# KiCad board Smart LED WS2812B Ring7.kicad_pcb (continued)
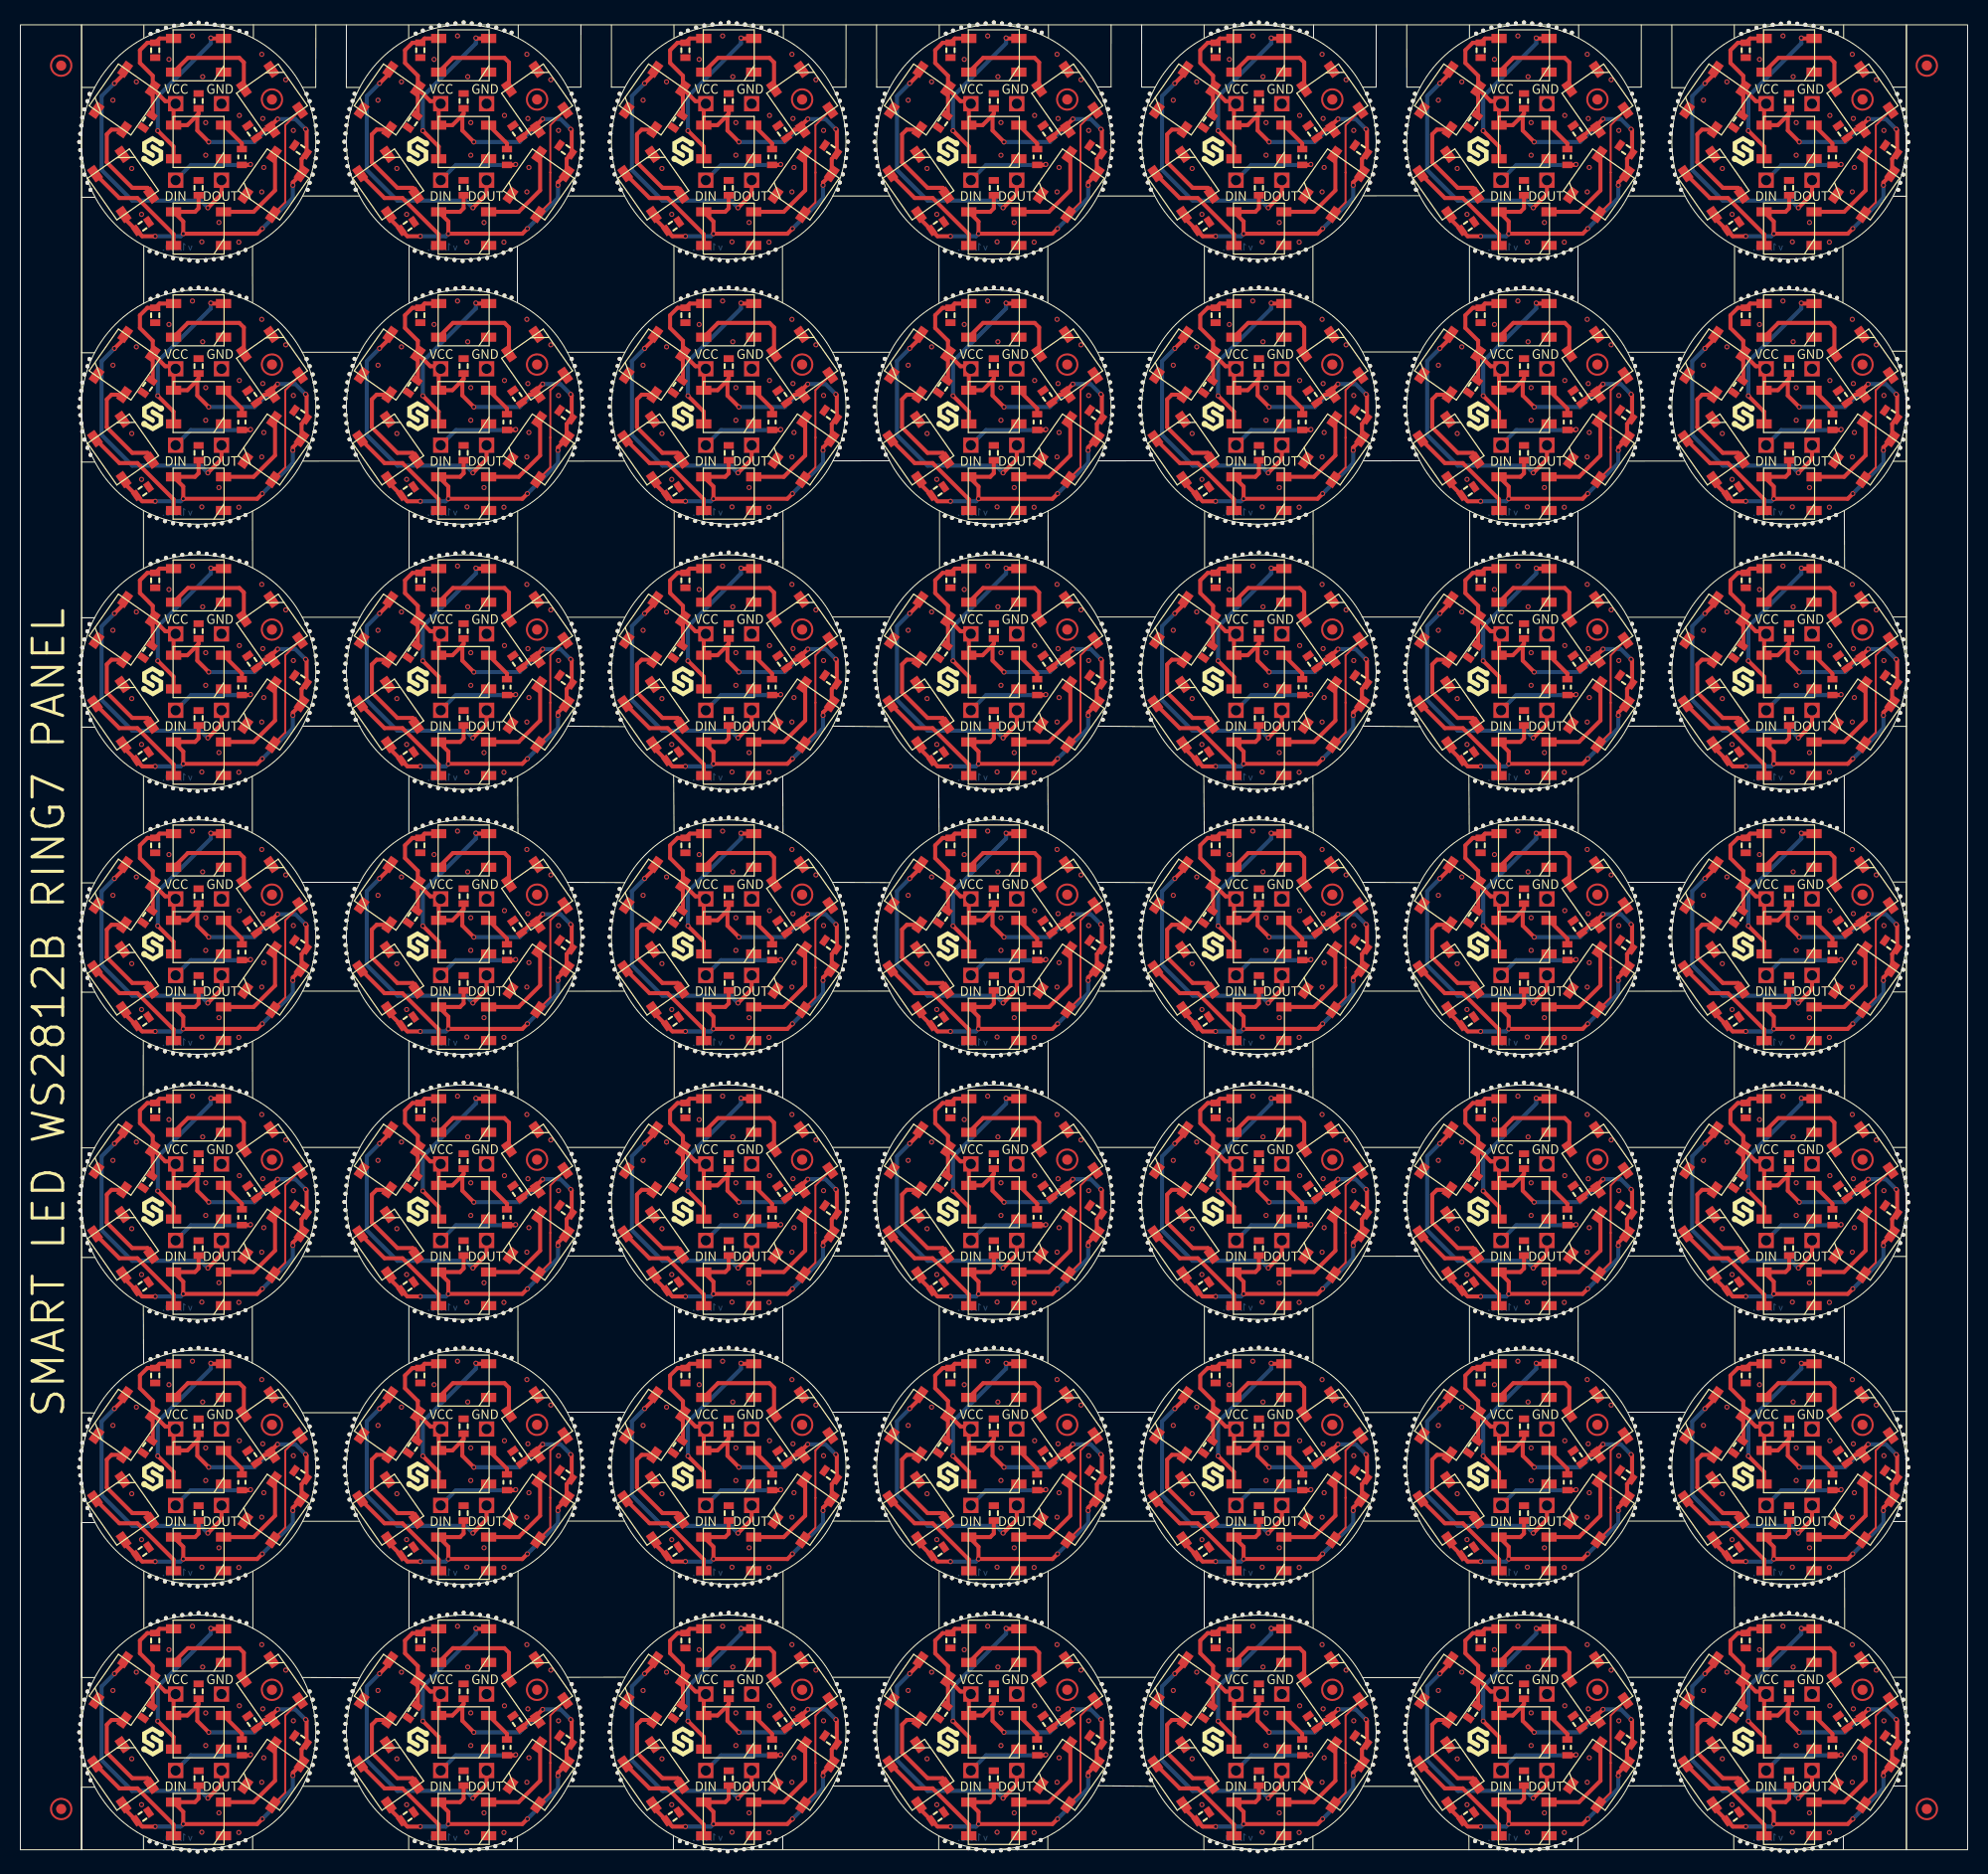
[diagram p0: board, top side]
## Routing (per net, layer and track width the routed paths; a pad name or vN(x,y) marks a point on that pad's centre or on a via; arc(x,y) is an arc through that point) (continued)
  Top w0.4: LED7#35.1 64.98,66.22 C7#45.1 ; LED7#35.1 64.98,70.03 63.72,71.28 63.72,72.53 64.46,73.26 C2#22.1 65.65,73.69 LED2#16.1 ; LED7#35.1 66.21,67.53 67.22,67.53 67.03,67.33 LED1#2.1 68.38,65.19 69.35,66.16 ; LED2#5.1 169.65,151.69 C2#3.1 168.46,151.26 167.72,150.53 167.72,149.28 168.98,148.03 LED7#7.1 ; C1#47.1 69.47,118.28 69.35,118.16 ; v1(65.22,28.28) 63.96,28.28 C6#48.1 62.13,30.11 LED6#34.1 ; v1(65.22,132.28) 63.96,132.28 C6#20.1 62.13,134.11 LED6#45.1 ; 147.35,144.16 147.47,144.28 C1#16.1 ; 147.35,144.16 146.38,143.19 LED1#49.1 145.03,145.33 145.22,145.53 144.21,145.53 LED7#30.1 ; 147.35,144.16 147.35,142.66 v1(148.47,141.53) ; LED2#2.1 117.65,125.69 C2#29.1 116.46,125.26 115.72,124.53 115.72,123.28 116.98,122.03 LED7#37.1 ; LED6#48.1 36.13,4.11 C6#4.1 37.96,2.28 v1(39.22,2.28) ; LED6#41.1 140.13,56.11 C6#40.1 141.96,54.28 v1(143.22,54.28) ; LED7#21.1 142.98,14.22 C7#11.1 ; LED7#21.1 142.98,18.03 141.72,19.28 141.72,20.53 142.46,21.26 C2#10.1 143.65,21.69 LED2#9.1 ; LED7#21.1 144.21,15.53 145.22,15.53 145.03,15.33 LED1#17.1 146.38,13.19 147.35,14.16 ; C1#27.1 95.47,14.28 95.35,14.16 ; v1(122.47,89.53) 121.35,90.66 121.35,92.16 ; v1(26.72,7.28) 26.72,7.57 LED4#46.1 27.58,9.88 C4#18.1 28.07,12.69 v1(27.97,12.78) ; LED6#23.1 114.13,82.11 C6#13.1 115.96,80.28 v1(117.22,80.28) ; LED7#20.1 116.98,96.03 115.72,97.28 115.72,98.53 116.46,99.26 C2#15.1 117.65,99.69 LED2#8.1 ; LED7#20.1 118.21,93.53 119.22,93.53 119.03,93.33 LED1#22.1 120.38,91.19 121.35,92.16 ; LED7#20.1 116.98,92.22 C7#17.1 ; v1(143.22,2.28) 141.96,2.28 C6#17.1 140.13,4.11 LED6#39.1 ; v1(148.47,63.53) 147.35,64.66 147.35,66.16 ; C1#7.1 147.47,14.28 147.35,14.16 ; LED2#44.1 39.64,21.69 C2#18.1 38.45,21.26 37.72,20.53 37.72,19.28 38.98,18.03 LED7#22.1 ; LED7#39.1 66.21,145.53 67.22,145.53 67.03,145.33 LED1#42.1 68.38,143.19 69.35,144.16 ; LED7#39.1 64.98,144.22 C7#28.1 ; LED7#39.1 64.98,148.03 63.72,149.28 63.72,150.53 64.46,151.26 C2#14.1 65.65,151.69 LED2#20.1 ; LED7#9.1 90.98,70.03 89.72,71.28 89.72,72.53 90.46,73.26 C2#43.1 91.65,73.69 LED2#28.1 ; LED7#9.1 92.21,67.53 93.22,67.53 93.03,67.33 LED1#20.1 94.38,65.19 95.35,66.16 ; LED7#9.1 90.98,66.22 C7#36.1 ; v1(77.22,39.78) 76.73,39.29 LED3#44.1 75.96,38.75 C3#6.1 ; 95.35,92.16 95.47,92.28 C1#13.1 ; 95.35,92.16 94.38,91.19 LED1#16.1 93.03,93.33 93.22,93.53 92.21,93.53 LED7#27.1 ; 95.35,92.16 95.35,90.66 v1(96.47,89.53) ; LED2#26.1 65.65,177.69 C2#24.1 64.46,177.26 63.72,176.53 63.72,175.28 64.98,174.03 LED7#32.1 ; C1#43.1 43.47,40.28 43.35,40.16 ; v1(13.22,158.28) 11.96,158.28 C6#30.1 10.13,160.11 LED6#43.1 ; LED7#16.1 38.98,122.03 37.72,123.28 37.72,124.53 38.45,125.26 C2#27.1 39.64,125.69 LED2#32.1 ; LED7#16.1 40.21,119.53 41.22,119.53 41.03,119.33 LED1#38.1 42.38,117.19 43.35,118.16 ; LED7#16.1 38.98,118.22 C7#40.1 ; v1(18.47,89.53) 17.35,90.66 17.35,92.16 ; 173.35,14.16 173.35,12.66 v1(174.47,11.53) ; 173.35,14.16 172.38,13.19 LED1#15.1 171.03,15.33 171.22,15.53 170.21,15.53 LED7#18.1 ; 173.35,14.16 173.47,14.28 C1#20.1 ; 17.35,118.16 16.38,117.19 LED1#33.1 15.03,119.33 15.22,119.53 14.21,119.53 LED7#6.1 ; 17.35,118.16 17.35,116.66 v1(18.47,115.53) ; 17.35,118.16 17.47,118.28 C1#41.1 ; v1(127.72,29.03) 127.22,28.53 v1(119.97,28.53) 119.97,29.73 LED5#8.1 121.12,30.69 121.47,31.03 C5#27.1 ; v1(77.22,91.78) 76.73,91.29 LED3#40.1 75.96,90.75 C3#13.1 ; LED2#48.1 143.65,125.69 C2#28.1 142.46,125.26 141.72,124.53 141.72,123.28 142.98,122.03 LED7#14.1 ; v1(39.22,158.28) 37.96,158.28 C6#34.1 36.13,160.11 LED6#38.1 ; C3#7.1 179.96,90.75 LED3#8.1 180.73,91.29 v1(181.22,91.78) ; 43.35,40.16 43.35,38.66 v1(44.47,37.53) ; 43.35,40.16 42.38,39.19 LED1#46.1 41.03,41.33 41.22,41.53 40.21,41.53 LED7#46.1 ; C1#49.1 147.47,170.28 147.35,170.16 ; v1(103.22,39.78) 102.73,39.29 LED3#17.1 101.96,38.75 C3#14.1 ; v1(117.22,2.28) 115.96,2.28 C6#49.1 114.13,4.11 LED6#37.1 ; C5#28.1 147.47,57.03 147.12,56.69 LED5#44.1 145.97,55.73 v1(145.97,54.53) 153.22,54.53 v1(153.72,55.03) ; LED7#7.1 168.98,144.22 C7#41.1 ; LED7#7.1 170.21,145.53 171.22,145.53 171.03,145.33 LED1#35.1 172.38,143.19 173.35,144.16 ; 147.35,118.16 147.35,116.66 v1(148.47,115.53) ; 147.35,118.16 147.47,118.28 C1#11.1 ; 147.35,118.16 146.38,117.19 LED1#18.1 145.03,119.33 145.22,119.53 144.21,119.53 LED7#14.1 ; C3#34.1 101.96,90.75 LED3#27.1 102.73,91.29 v1(103.22,91.78) ; 43.35,118.16 43.35,116.66 v1(44.47,115.53) ; 43.35,118.16 43.47,118.28 C1#34.1 ; v1(91.22,80.28) 89.96,80.28 C6#47.1 88.13,82.11 LED6#18.1 ; C5#13.1 43.47,31.03 43.12,30.69 LED5#23.1 41.97,29.73 v1(41.97,28.53) 49.22,28.53 v1(49.72,29.03) ; v1(49.72,3.03) 49.22,2.53 v1(41.97,2.53) 41.97,3.74 41.03,4.69 43.12,4.69 43.47,5.03 C5#44.1 ; 69.35,14.16 69.47,14.28 C1#28.1 ; 69.35,14.16 68.38,13.19 LED1#28.1 67.03,15.33 67.22,15.53 66.21,15.53 LED7#13.1 ; 69.35,14.16 69.35,12.66 v1(70.47,11.53) ; C7#13.1 142.98,92.22 LED7#28.1 ; C5#21.1 95.47,31.03 95.12,30.69 LED5#42.1 93.97,29.73 v1(93.97,28.53) 101.22,28.53 v1(101.72,29.03) ; v1(101.72,55.03) 101.22,54.53 v1(93.97,54.53) 93.97,55.73 LED5#21.1 95.12,56.69 95.47,57.03 C5#16.1 ; v1(130.72,111.28) 130.72,111.57 LED4#8.1 131.58,113.88 C4#39.1 132.07,116.69 v1(131.97,116.78) ; C1#30.1 121.47,66.28 121.35,66.16 ; LED2#6.1 169.65,21.69 C2#17.1 168.46,21.26 167.72,20.53 167.72,19.28 168.98,18.03 LED7#18.1 ; 69.35,144.16 69.47,144.28 C1#26.1 ; 69.35,144.16 69.35,142.66 v1(70.47,141.53) ; LED2#17.1 169.65,177.69 C2#39.1 168.46,177.26 167.72,176.53 167.72,175.28 168.98,174.03 LED7#49.1 ; C7#37.1 168.98,66.22 LED7#34.1 ; v1(44.47,141.53) 43.35,142.66 43.35,144.16 ; v1(53.97,12.78) 54.07,12.69 C4#25.1 53.58,9.88 LED4#25.1 52.72,7.57 v1(52.72,7.28) ; v1(104.72,137.28) 104.72,137.57 LED4#37.1 105.58,139.88 C4#31.1 106.07,142.69 v1(105.97,142.78) ; C7#26.1 38.98,92.22 LED7#45.1 ; v1(174.47,37.53) 173.35,38.66 173.35,40.16 ; LED7#47.1 38.98,170.22 C7#48.1 ; LED7#47.1 40.21,171.53 41.22,171.53 41.03,171.33 LED1#48.1 42.38,169.19 43.35,170.16 ; LED7#47.1 38.98,174.03 37.72,175.28 37.72,176.53 38.45,177.26 C2#5.1 39.64,177.69 LED2#40.1 ; v1(70.47,115.53) 69.35,116.66 69.35,118.16 ; LED7#45.1 40.21,93.53 41.22,93.53 41.03,93.33 LED1#21.1 42.38,91.19 43.35,92.16 ; LED7#45.1 38.98,96.03 37.72,97.28 37.72,98.53 38.45,99.26 C2#45.1 39.64,99.69 LED2#37.1 ; v1(105.97,64.78) 106.07,64.69 C4#12.1 105.58,61.88 LED4#7.1 104.72,59.57 v1(104.72,59.28) ; v1(23.72,3.03) 23.22,2.53 v1(15.97,2.53) 15.97,3.74 15.03,4.69 17.12,4.69 17.47,5.03 C5#29.1 ; C7#18.1 142.98,40.22 LED7#12.1 ; v1(78.72,7.28) 78.72,7.57 LED4#27.1 79.58,9.88 C4#44.1 80.07,12.69 v1(79.97,12.78) ; LED7#26.1 64.98,92.22 C7#6.1 ; LED7#26.1 64.98,96.03 63.72,97.28 63.72,98.53 64.46,99.26 C2#40.1 65.65,99.69 LED2.1 ; LED7#26.1 66.21,93.53 67.22,93.53 67.03,93.33 LED1#36.1 68.38,91.19 69.35,92.16 ; LED7#31.1 64.98,122.03 63.72,123.28 63.72,124.53 64.46,125.26 C2#26.1 65.65,125.69 LED2#46.1 ; LED7#31.1 66.21,119.53 67.22,119.53 67.03,119.33 LED1#9.1 68.38,117.19 69.35,118.16 ; LED7#31.1 64.98,118.22 C7#19.1 ; 121.35,66.16 120.38,65.19 LED1#34.1 119.03,67.33 119.22,67.53 118.21,67.53 LED7#42.1 ; 121.35,66.16 121.35,64.66 v1(122.47,63.53) ; C3#11.1 23.96,38.75 LED3#29.1 24.73,39.29 v1(25.22,39.78) ; LED7#13.1 64.98,14.22 C7#15.1 ; LED7#13.1 64.98,18.03 63.72,19.28 63.72,20.53 64.46,21.26 C2#48.1 65.65,21.69 LED2#3.1 ; LED7#22.1 40.21,15.53 41.22,15.53 41.03,15.33 LED1#32.1 42.38,13.19 43.35,14.16 ; LED7#22.1 38.98,14.22 C7#9.1 ; v1(127.72,3.03) 127.22,2.53 v1(119.97,2.53) 119.97,3.74 119.03,4.69 121.12,4.69 121.47,5.03 C5#36.1 ; C7#12.1 116.98,144.22 LED7#23.1 ; LED7#5.1 90.98,18.03 89.72,19.28 89.72,20.53 90.46,21.26 C2#12.1 91.65,21.69 LED2#30.1 ; LED7#5.1 92.21,15.53 93.22,15.53 93.03,15.33 LED1#30.1 94.38,13.19 95.35,14.16 ; LED7#5.1 90.98,14.22 C7#47.1 ; v1(129.22,143.78) 128.73,143.29 LED3#4.1 127.96,142.75 C3#17.1 ; 121.35,118.16 120.38,117.19 LED1#24.1 119.03,119.33 119.22,119.53 118.21,119.53 LED7#37.1 ; 121.35,118.16 121.35,116.66 v1(122.47,115.53) ; 121.35,118.16 121.47,118.28 C1#37.1 ; v1(183.97,90.78) 184.07,90.69 C4#46.1 183.58,87.88 LED4#47.1 182.72,85.57 v1(182.72,85.28) ; 95.35,14.16 95.35,12.66 v1(96.47,11.53) ; v1(53.97,142.78) 54.07,142.69 C4#43.1 53.58,139.88 LED4#31.1 52.72,137.57 v1(52.72,137.28) ; C1#15.1 69.47,92.28 69.35,92.16 ; C7#4.1 38.98,40.22 LED7#46.1 ; v1(148.47,89.53) 147.35,90.66 147.35,92.16 ; 17.35,144.16 16.38,143.19 LED1#40.1 15.03,145.33 15.22,145.53 14.21,145.53 LED7#17.1 ; 17.35,144.16 17.47,144.28 C1#36.1 ; 17.35,144.16 17.35,142.66 v1(18.47,141.53) ; v1(179.72,133.03) 179.22,132.53 v1(171.97,132.53) 171.97,133.73 LED5.1 173.12,134.69 173.47,135.03 C5#11.1 ; LED7#24.1 168.98,92.22 C7.1 ; LED7#24.1 170.21,93.53 171.22,93.53 171.03,93.33 LED1#7.1 172.38,91.19 173.35,92.16 ; LED7#24.1 168.98,96.03 167.72,97.28 167.72,98.53 168.46,99.26 C2#44.1 169.65,99.69 LED2#49.1 ; v1(143.22,28.28) 141.96,28.28 C6#41.1 140.13,30.11 LED6#10.1 ; C5#46.1 173.47,5.03 173.12,4.69 171.03,4.69 171.97,3.74 v1(171.97,2.53) 179.22,2.53 v1(179.72,3.03) ; LED7#19.1 12.98,174.03 11.72,175.28 11.72,176.53 12.45,177.26 C2#25.1 13.64,177.69 LED2#15.1 ; LED7#19.1 12.98,170.22 C7#30.1 ; LED7#19.1 14.21,171.53 15.22,171.53 15.03,171.33 LED1#8.1 16.38,169.19 17.35,170.16 ; v1(130.72,59.28) 130.72,59.57 LED4#41.1 131.58,61.88 C4#28.1 132.07,64.69 v1(131.97,64.78) ; v1(51.22,143.78) 50.73,143.29 LED3#15.1 49.96,142.75 C3#35.1 ; v1(157.97,12.78) 158.07,12.69 C4#4.1 157.58,9.88 LED4#11.1 156.72,7.57 v1(156.72,7.28) ; LED7#27.1 90.98,92.22 C7#43.1 ; LED7#27.1 90.98,96.03 89.72,97.28 89.72,98.53 90.46,99.26 C2#33.1 91.65,99.69 LED2#31.1 ; C5#39.1 95.47,161.03 95.12,160.69 LED5#3.1 93.97,159.73 v1(93.97,158.53) 101.22,158.53 v1(101.72,159.03) ; 121.35,144.16 121.47,144.28 C1#9.1 ; 121.35,144.16 120.38,143.19 LED1#37.1 119.03,145.33 119.22,145.53 118.21,145.53 LED7#23.1 ; 121.35,144.16 121.35,142.66 v1(122.47,141.53) ; LED6#24.1 88.13,30.11 C6.1 89.96,28.28 v1(91.22,28.28) ; 17.35,170.16 17.47,170.28 C1#40.1 ; 17.35,170.16 17.35,168.66 v1(18.47,167.53) ; LED7#44.1 90.98,44.03 89.72,45.28 89.72,46.53 90.46,47.26 C2#19.1 91.65,47.69 LED2#14.1 ; LED7#44.1 92.21,41.53 93.22,41.53 93.03,41.33 LED1#14.1 94.38,39.19 95.35,40.16 ; LED7#44.1 90.98,40.22 C7#34.1 ; 147.35,14.16 147.35,12.66 v1(148.47,11.53) ; v1(70.47,63.53) 69.35,64.66 69.35,66.16 ; v1(44.47,167.53) 43.35,168.66 43.35,170.16 ; LED6#21.1 166.13,82.11 C6#21.1 167.96,80.28 v1(169.22,80.28) ; v1(79.97,64.78) 80.07,64.69 C4#45.1 79.58,61.88 LED4#43.1 78.72,59.57 v1(78.72,59.28) ; v1(174.47,63.53) 173.35,64.66 173.35,66.16 ; 17.35,66.16 16.38,65.19 LED1#45.1 15.03,67.33 15.22,67.53 14.21,67.53 LED7#38.1 ; 17.35,66.16 17.35,64.66 v1(18.47,63.53) ; 17.35,66.16 17.47,66.28 C1#35.1 ; C5#34.1 147.47,161.03 147.12,160.69 LED5#46.1 145.97,159.73 v1(145.97,158.53) 153.22,158.53 v1(153.72,159.03) ; v1(174.47,167.53) 173.35,168.66 173.35,170.16 ; C1#19.1 17.47,92.28 17.35,92.16 ; LED6#12.1 166.13,56.11 C6#43.1 167.96,54.28 v1(169.22,54.28) ; C7#49.1 168.98,118.22 LED7#11.1 ; LED7#37.1 116.98,118.22 C7#27.1 ; v1(131.97,12.78) 132.07,12.69 C4#47.1 131.58,9.88 LED4#35.1 130.72,7.57 v1(130.72,7.28) ; 173.35,170.16 173.47,170.28 C1#24.1 ; 173.35,170.16 172.38,169.19 LED1#4.1 171.03,171.33 171.22,171.53 170.21,171.53 LED7#49.1 ; LED7#46.1 38.98,44.03 37.72,45.28 37.72,46.53 38.45,47.26 C2#47.1 39.64,47.69 LED2#12.1 ; v1(129.22,65.78) 128.73,65.29 LED3#35.1 127.96,64.75 C3#36.1 ; 173.35,92.16 173.35,90.66 v1(174.47,89.53) ; 173.35,92.16 173.47,92.28 C1#12.1 ; LED7.1 118.21,171.53 119.22,171.53 119.03,171.33 LED1#43.1 120.38,169.19 121.35,170.16 ; LED7.1 116.98,174.03 115.72,175.28 115.72,176.53 116.46,177.26 C2#30.1 117.65,177.69 LED2#38.1 ; LED7.1 116.98,170.22 C7#39.1 ; LED7#28.1 144.21,93.53 145.22,93.53 145.03,93.33 LED1#19.1 146.38,91.19 147.35,92.16 ; LED7#28.1 142.98,96.03 141.72,97.28 141.72,98.53 142.46,99.26 C2#6.1 143.65,99.69 LED2#10.1 ; v1(78.72,111.28) 78.72,111.57 LED4#21.1 79.58,113.88 C4#16.1 80.07,116.69 v1(79.97,116.78) ; v1(27.97,64.78) 28.07,64.69 C4#15.1 27.58,61.88 LED4#2.1 26.72,59.57 v1(26.72,59.28) ; LED7#3.1 142.98,66.22 C7#42.1 ; LED7#3.1 142.98,70.03 141.72,71.28 141.72,72.53 142.46,73.26 C2#49.1 143.65,73.69 LED2#33.1 ; LED7#3.1 144.21,67.53 145.22,67.53 145.03,67.33 LED1#29.1 146.38,65.19 147.35,66.16 ; C1#33.1 147.47,40.28 147.35,40.16 ; LED6#42.1 140.13,160.11 C6#37.1 141.96,158.28 v1(143.22,158.28) ; C3#48.1 49.96,116.75 LED3#9.1 50.73,117.29 v1(51.22,117.78) ; C3#28.1 49.96,90.75 LED3.1 50.73,91.29 v1(51.22,91.78) ; LED2#11.1 13.64,125.69 C2#2.1 12.45,125.26 11.72,124.53 11.72,123.28 12.98,122.03 LED7#6.1 ; v1(27.97,116.78) 28.07,116.69 C4#7.1 27.58,113.88 LED4#10.1 26.72,111.57 v1(26.72,111.28) ; 95.35,144.16 94.38,143.19 LED1#23.1 93.03,145.33 93.22,145.53 92.21,145.53 LED7#8.1 ; 95.35,144.16 95.47,144.28 C1#48.1 ; 95.35,144.16 95.35,142.66 v1(96.47,141.53) ; 17.35,92.16 16.38,91.19 LED1#41.1 15.03,93.33 15.22,93.53 14.21,93.53 LED7#25.1 ; LED7#48.1 38.98,148.03 37.72,149.28 37.72,150.53 38.45,151.26 C2#11.1 39.64,151.69 LED2#27.1 ; LED7#48.1 40.21,145.53 41.22,145.53 41.03,145.33 LED1#27.1 42.38,143.19 43.35,144.16 ; LED7#48.1 38.98,144.22 C7#14.1 ; 173.35,118.16 173.35,116.66 v1(174.47,115.53) ; 173.35,118.16 173.47,118.28 C1#22.1 ; 173.35,118.16 172.38,117.19 LED1#12.1 171.03,119.33 171.22,119.53 170.21,119.53 LED7#11.1 ; v1(49.72,133.03) 49.22,132.53 v1(41.97,132.53) 41.97,133.73 LED5#34.1 43.12,134.69 43.47,135.03 C5#17.1 ; 121.35,40.16 120.38,39.19 LED1#11.1 119.03,41.33 119.22,41.53 118.21,41.53 LED7#43.1 ; 121.35,40.16 121.35,38.66 v1(122.47,37.53) ; 121.35,40.16 121.47,40.28 C1#32.1 ; 43.35,14.16 43.35,12.66 v1(44.47,11.53) ; 43.35,14.16 43.47,14.28 C1#31.1 ; C7#22.1 168.98,14.22 LED7#18.1 ; 69.35,66.16 69.47,66.28 C1#45.1 ; LED7#14.1 142.98,118.22 C7#25.1 ; v1(103.22,13.78) 102.73,13.29 LED3#21.1 101.96,12.75 C3#26.1 ; LED7#34.1 170.21,67.53 171.22,67.53 171.03,67.33 LED1#44.1 172.38,65.19 173.35,66.16 ; LED7#34.1 168.98,70.03 167.72,71.28 167.72,72.53 168.46,73.26 C2#35.1 169.65,73.69 LED2#18.1 ; LED7#29.1 92.21,119.53 93.22,119.53 93.03,119.33 LED1#25.1 94.38,117.19 95.35,118.16 ; LED7#29.1 90.98,118.22 C7#7.1 ; LED7#29.1 90.98,122.03 89.72,123.28 89.72,124.53 90.46,125.26 C2.1 91.65,125.69 LED2#47.1 ; v1(183.97,12.78) 184.07,12.69 C4#11.1 183.58,9.88 LED4#38.1 182.72,7.57 v1(182.72,7.28) ; v1(181.22,39.78) 180.73,39.29 LED3#30.1 179.96,38.75 C3#38.1 ; C5#12.1 147.47,135.03 147.12,134.69 LED5#29.1 145.97,133.73 v1(145.97,132.53) 153.22,132.53 v1(153.72,133.03) ; C7#38.1 38.98,66.22 LED7#41.1 ; v1(181.22,117.78) 180.73,117.29 LED3#14.1 179.96,116.75 C3#3.1 ; v1(25.22,143.78) 24.73,143.29 LED3#2.1 23.96,142.75 C3#49.1 ; C3#21.1 101.96,142.75 LED3#33.1 102.73,143.29 v1(103.22,143.78) ; 69.35,92.16 69.35,90.66 v1(70.47,89.53) ; v1(105.97,168.78) 106.07,168.69 C4#37.1 105.58,165.88 LED4#32.1 104.72,163.57 v1(104.72,163.28) ; 43.35,66.16 43.35,64.66 v1(44.47,63.53) ; 43.35,66.16 42.38,65.19 LED1#13.1 41.03,67.33 41.22,67.53 40.21,67.53 LED7#41.1 ; 43.35,66.16 43.47,66.28 C1#29.1 ; C5#24.1 173.47,161.03 173.12,160.69 LED5#38.1 171.97,159.73 v1(171.97,158.53) 179.22,158.53 v1(179.72,159.03) ; LED6#31.1 114.13,108.11 C6#25.1 115.96,106.28 v1(117.22,106.28) ; C3#2.1 179.96,142.75 LED3#19.1 180.73,143.29 v1(181.22,143.78) ; v1(157.97,38.78) 158.07,38.69 C4#6.1 157.58,35.88 LED4#6.1 156.72,33.57 v1(156.72,33.28) ; v1(183.97,116.78) 184.07,116.69 C4#21.1 183.58,113.88 LED4#14.1 182.72,111.57 v1(182.72,111.28) ; v1(143.22,106.28) 141.96,106.28 C6#10.1 140.13,108.11 LED6#11.1 ; LED7#17.1 12.98,148.03 11.72,149.28 11.72,150.53 12.45,151.26 C2#13.1 13.64,151.69 LED2#25.1 ; LED7#17.1 12.98,144.22 C7#29.1 ; 95.35,170.16 95.35,168.66 v1(96.47,167.53) ; 95.35,170.16 94.38,169.19 LED1#39.1 93.03,171.33 93.22,171.53 92.21,171.53 LED7#4.1 ; 95.35,170.16 95.47,170.28 C1#38.1 ; LED6#33.1 62.13,4.11 C6#29.1 63.96,2.28 v1(65.22,2.28) ; LED7#12.1 144.21,41.53 145.22,41.53 145.03,41.33 LED1#3.1 146.38,39.19 147.35,40.16 ; LED7#12.1 142.98,44.03 141.72,45.28 141.72,46.53 142.46,47.26 C2#21.1 143.65,47.69 LED2#13.1 ; v1(169.22,28.28) 167.96,28.28 C6#8.1 166.13,30.11 LED6#17.1 ; v1(143.22,80.28) 141.96,80.28 C6#23.1 140.13,82.11 LED6#8.1 ; LED7#30.1 142.98,148.03 141.72,149.28 141.72,150.53 142.46,151.26 C2#8.1 143.65,151.69 LED2#35.1 ; LED7#30.1 142.98,144.22 C7#20.1 ; LED7#42.1 116.98,66.22 C7#3.1 ; LED7#42.1 116.98,70.03 115.72,71.28 115.72,72.53 116.46,73.26 C2#36.1 117.65,73.69 LED2#34.1 ; C7#2.1 12.98,66.22 LED7#38.1 ; v1(130.72,85.28) 130.72,85.57 LED4#5.1 131.58,87.88 C4#19.1 132.07,90.69 v1(131.97,90.78) ; v1(156.72,163.28) 156.72,163.57 LED4#40.1 157.58,165.88 C4#33.1 158.07,168.69 v1(157.97,168.78) ; C3#40.1 153.96,116.75 LED3#24.1 154.73,117.29 v1(155.22,117.78) ; C1.1 121.47,170.28 121.35,170.16 ; v1(169.22,2.28) 167.96,2.28 C6#33.1 166.13,4.11 LED6.1 ; v1(18.47,11.53) 17.35,12.66 17.35,14.16 ; 43.35,144.16 43.47,144.28 C1#4.1 ; v1(91.22,132.28) 89.96,132.28 C6#9.1 88.13,134.11 LED6#47.1 ; v1(75.72,159.03) 75.22,158.53 v1(67.97,158.53) 67.97,159.73 LED5#13.1 69.12,160.69 69.47,161.03 C5#47.1 ; C5#9.1 69.47,109.03 69.12,108.69 LED5#43.1 67.97,107.73 v1(67.97,106.53) 75.22,106.53 v1(75.72,107.03) ; v1(104.72,111.28) 104.72,111.57 LED4#16.1 105.58,113.88 C4#8.1 106.07,116.69 v1(105.97,116.78) ; LED6#3.1 62.13,56.11 C6#5.1 63.96,54.28 v1(65.22,54.28) ; v1(153.72,3.03) 153.22,2.53 v1(145.97,2.53) 145.97,3.74 145.03,4.69 147.12,4.69 147.47,5.03 C5#4.1 ; v1(174.47,141.53) 173.35,142.66 173.35,144.16 ; v1(91.22,158.28) 89.96,158.28 C6#26.1 88.13,160.11 LED6#46.1 ; LED6#27.1 10.13,30.11 C6#15.1 11.96,28.28 v1(13.22,28.28) ; v1(79.97,90.78) 80.07,90.69 C4#49.1 79.58,87.88 LED4#45.1 78.72,85.57 v1(78.72,85.28) ; 43.35,170.16 43.47,170.28 C1#10.1 ; v1(65.22,80.28) 63.96,80.28 C6#36.1 62.13,82.11 LED6#44.1 ; C1#5.1 17.47,40.28 17.35,40.16 ; v1(156.72,111.28) 156.72,111.57 LED4#19.1 157.58,113.88 C4#32.1 158.07,116.69 v1(157.97,116.78) ; C7#8.1 64.98,170.22 LED7#32.1 ; LED6#9.1 166.13,134.11 C6#24.1 167.96,132.28 v1(169.22,132.28) ; LED7#2.1 170.21,41.53 171.22,41.53 171.03,41.33 LED1#26.1 172.38,39.19 173.35,40.16 ; LED7#2.1 168.98,44.03 167.72,45.28 167.72,46.53 168.46,47.26 C2#16.1 169.65,47.69 LED2#36.1 ; LED7#2.1 168.98,40.22 C7#21.1 ; v1(91.22,106.28) 89.96,106.28 C6#39.1 88.13,108.11 LED6#40.1 ; LED7#8.1 90.98,148.03 89.72,149.28 89.72,150.53 90.46,151.26 C2#37.1 91.65,151.69 LED2#45.1 ; LED7#8.1 90.98,144.22 C7#46.1 ; v1(127.72,107.03) 127.22,106.53 v1(119.97,106.53) 119.97,107.73 LED5#24.1 121.12,108.69 121.47,109.03 C5#14.1 ; v1(75.72,29.03) 75.22,28.53 v1(67.97,28.53) 67.97,29.73 LED5#17.1 69.12,30.69 69.47,31.03 C5#38.1 ; v1(26.72,163.28) 26.72,163.57 LED4#28.1 27.58,165.88 C4#29.1 28.07,168.69 v1(27.97,168.78) ; C3#19.1 75.96,142.75 LED3#10.1 76.73,143.29 v1(77.22,143.78) ; C1#3.1 121.47,92.28 121.35,92.16 ; LED7#33.1 116.98,14.22 C7#32.1 ; LED7#33.1 116.98,18.03 115.72,19.28 115.72,20.53 116.46,21.26 C2#41.1 117.65,21.69 LED2#7.1 ; LED7#33.1 118.21,15.53 119.22,15.53 119.03,15.33 LED1#47.1 120.38,13.19 121.35,14.16 ; 95.35,40.16 95.35,38.66 v1(96.47,37.53) ; 95.35,40.16 95.47,40.28 C1#46.1 ; v1(153.72,29.03) 153.22,28.53 v1(145.97,28.53) 145.97,29.73 LED5#6.1 147.12,30.69 147.47,31.03 C5#6.1 ; 147.35,40.16 147.35,38.66 v1(148.47,37.53) ; v1(183.97,142.78) 184.07,142.69 C4#22.1 183.58,139.88 LED4#36.1 182.72,137.57 v1(182.72,137.28) ; C5#37.1 173.47,83.03 173.12,82.69 LED5#22.1 171.97,81.73 v1(171.97,80.53) 179.22,80.53 v1(179.72,81.03) ; v1(182.72,33.28) 182.72,33.57 LED4#15.1 183.58,35.88 C4#3.1 184.07,38.69 v1(183.97,38.78) ; v1(179.72,107.03) 179.22,106.53 v1(171.97,106.53) 171.97,107.73 LED5#27.1 173.12,108.69 173.47,109.03 C5#3.1 ; 95.35,66.16 95.47,66.28 C1#42.1 ; 95.35,66.16 95.35,64.66 v1(96.47,63.53) ; LED7#6.1 12.98,118.22 C7#23.1 ; C3#9.1 23.96,90.75 LED3#49.1 24.73,91.29 v1(25.22,91.78) ; 147.35,92.16 147.47,92.28 C1#14.1 ; v1(103.22,169.78) 102.73,169.29 LED3#45.1 101.96,168.75 C3#44.1 ; LED7#15.1 142.98,174.03 141.72,175.28 141.72,176.53 142.46,177.26 C2#7.1 143.65,177.69 LED2#22.1 ; LED7#15.1 144.21,171.53 145.22,171.53 145.03,171.33 LED1#31.1 